# Altium PCB CSU RevB_ASCII.PcbDoc (part 4 of 5) (continued)
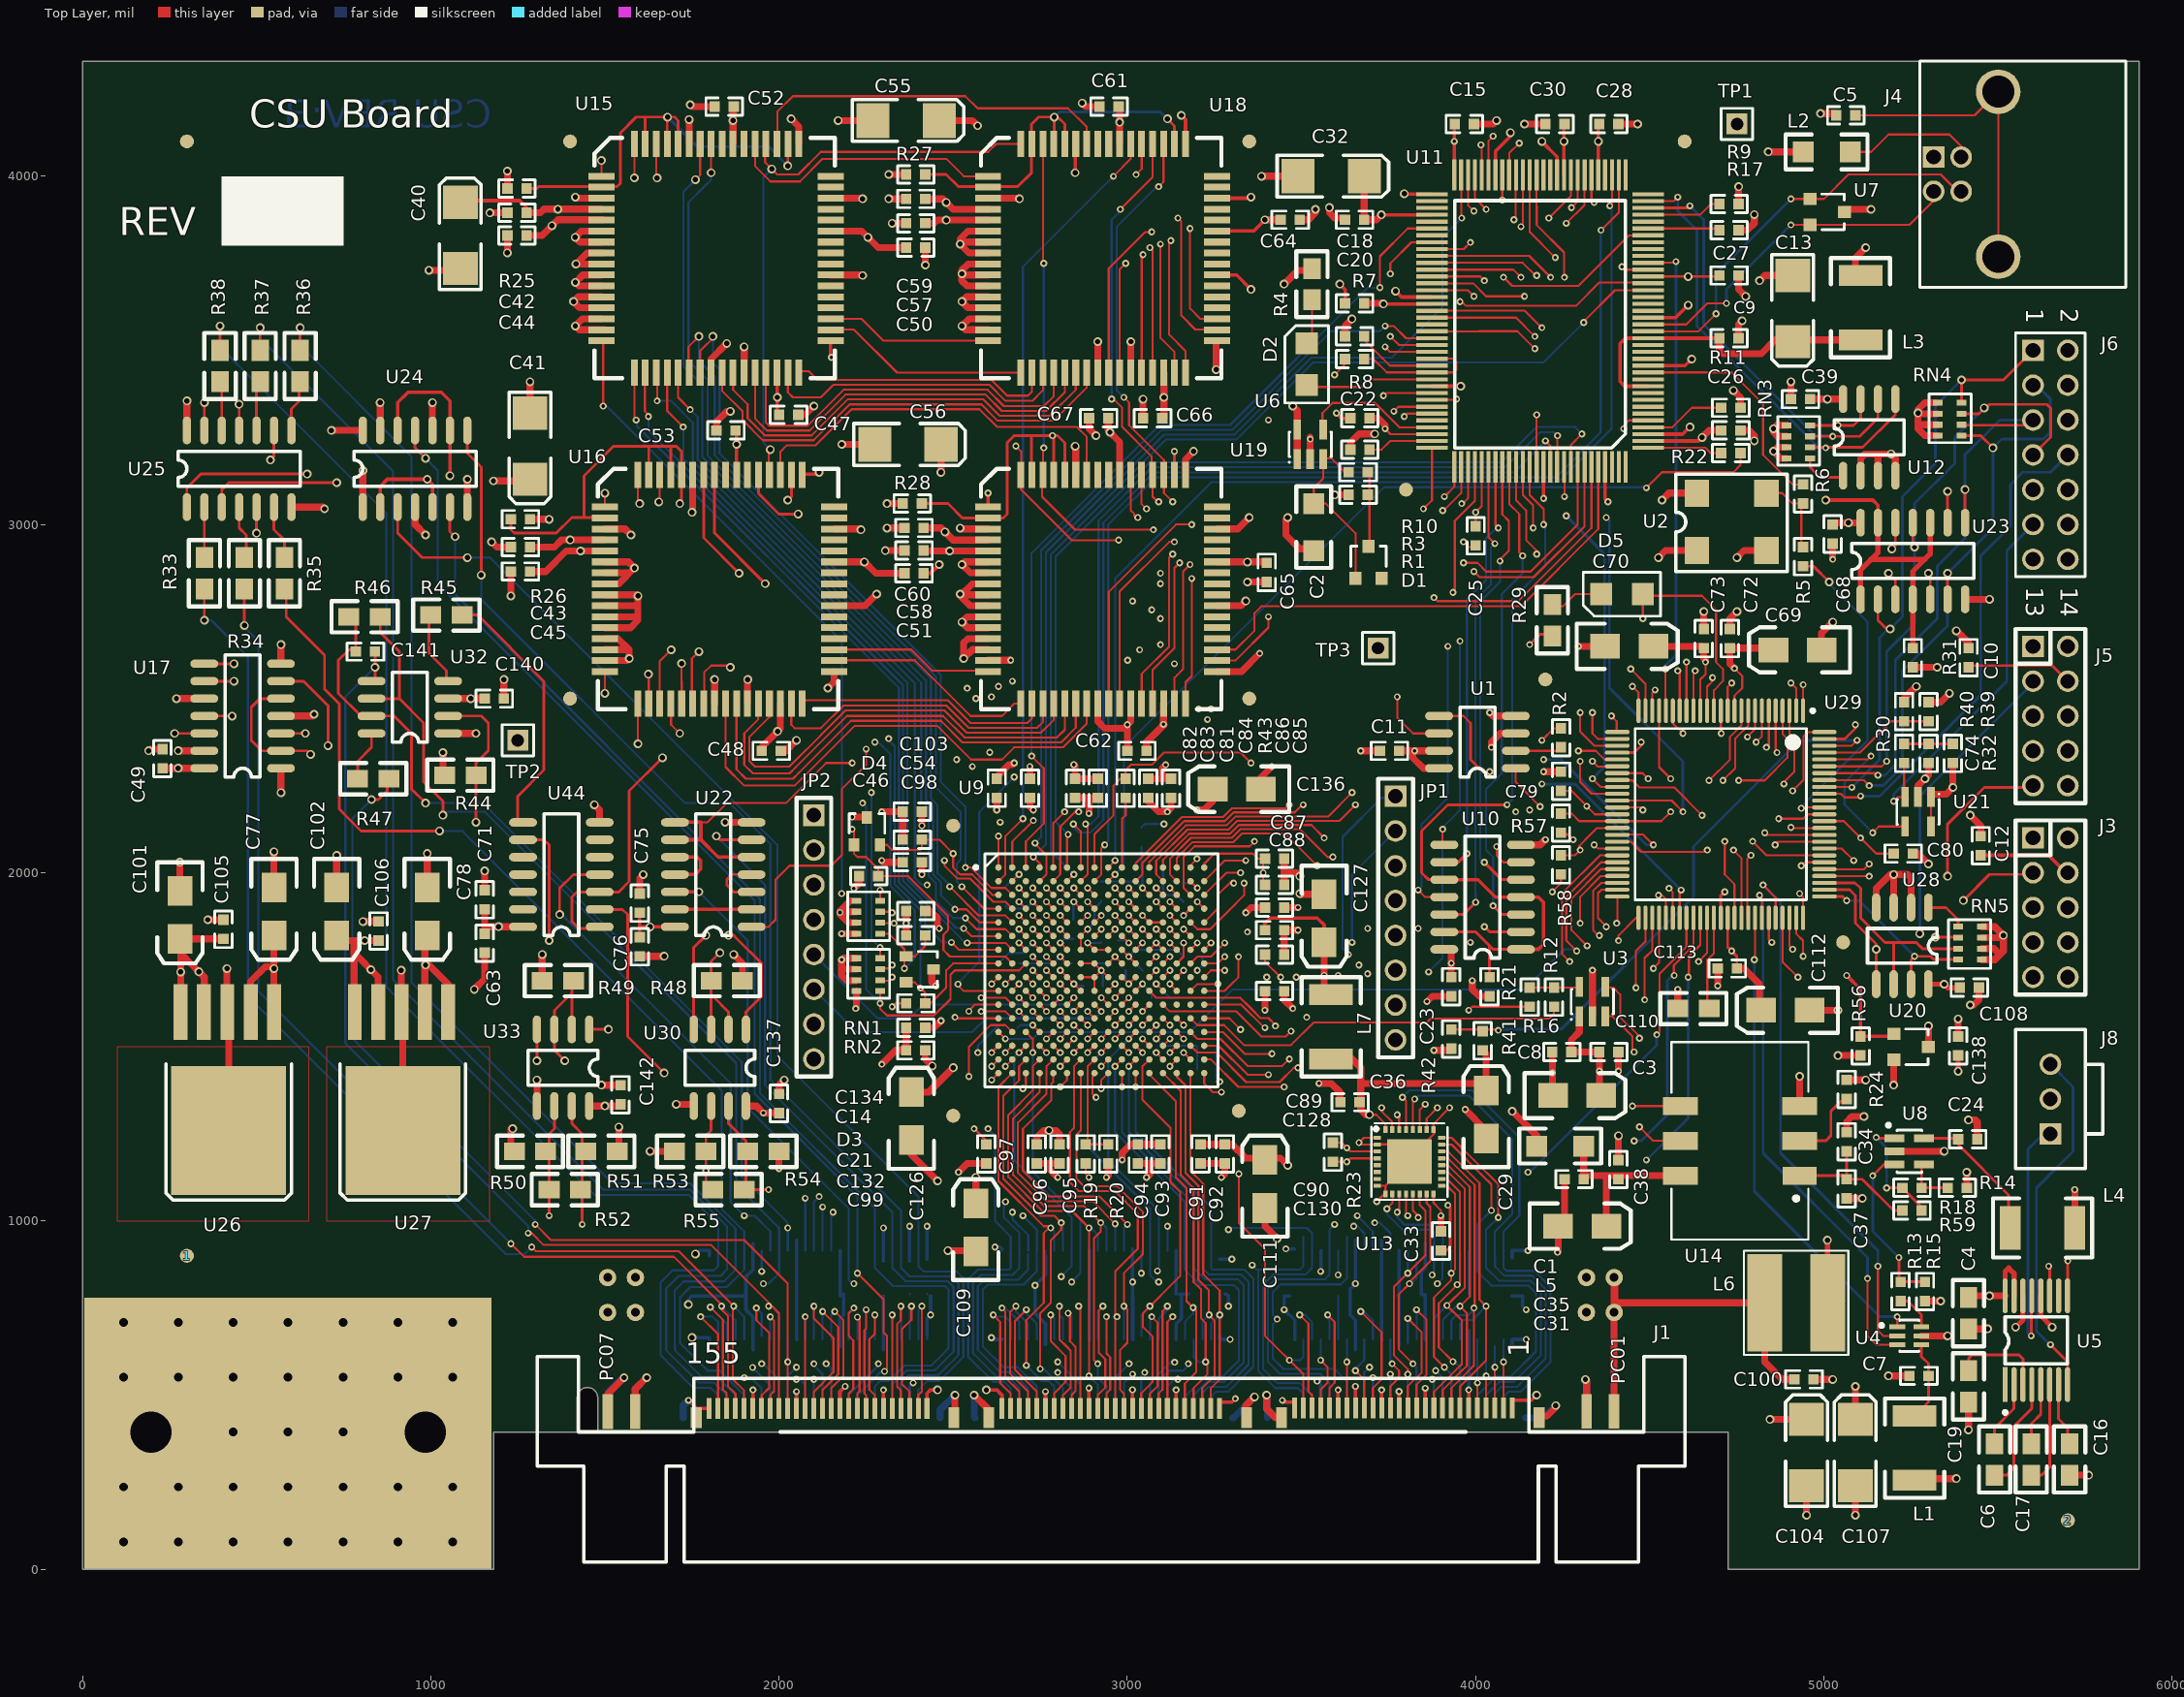
[diagram p0: Top Layer view]
## Nets (pads, with @x,y where several pads share a name; then routed paths per layer and width w, separated by ;. In a path a pad name is that pad's centre, name@x,y a point inside that pad or via, vN(x,y) a via of type N, cw(c..) or ccw(c..) an arc to the next point about the centre after c; other vN are vias at no path point) (continued)
O_DAT7: U9.G5 U15.16 | length 2569.8
  Top Layer w6: U15.16@1490,3527.56 1495,3522.56 v1(1495,3340) ; v3(2767.8,1798.46) U9.G5@2787.48,1778.78
  MidLayer1 w6: v1(2180,1940) 2210,1910 2348.78,1910 2438.78,1820 2525,1820 2570,1820 2611.22,1778.78 2748.11,1778.78 v3(2767.8,1798.46)
  Bottom Layer w6: v1(1495,3340) 1505,3340 2180,2665 v1(2180,1940)
O_DAT8: U9.D16 U16.23 | length 2188.9
  Top Layer w6: U16.23@1785,2490 1785,2575 1805,2595 1855,2595 v2(1860,2590) ; v3(3200.87,1916.57) U9.D16@3220.55,1896.89
  MidLayer1 w6: v2(1860,2590) 1861,2589 3124,2589 v1(3135,2600)
  MidLayer2 w6: v1(3135,2600) 3135,2597 3147,2585 3147,2018.64 3181.18,1984.46 3181.18,1936.26 v3(3200.87,1916.57)
O_DAT9: U9.F15 U16.22 | length 2386.7
  Top Layer w6: U16.22@1750,2490 1750,2615 v2(1770,2635) ; v3(3161.5,1837.83) U9.F15@3181.18,1818.15
  MidLayer1 w6: v2(1770,2635) 1800,2665 3085,2665 v1(3095,2655)
  MidLayer2 w6: v1(3095,2655) 3083.7,2643.7 3083.7,2048 3153.81,1977.89 3153.81,1908.89 3141.81,1896.89 3141.81,1857.52 v3(3161.5,1837.83)
O_DAT10: U9.F14 U16.21 | length 2320.8
  Top Layer w6: 1720,2550 1720,2600 v2(1720.47,2600.47) ; U16.21@1720.47,2486 1720.47,2550 ; v3(3122.13,1837.83) U9.F14@3141.81,1818.15
  MidLayer1 w6: v2(1720.47,2600.47) 1769.67,2600.47 1820.2,2651 3024,2651 v1(3035,2640)
  MidLayer2 w6: v1(3035,2640) 3047.7,2627.3 3047.7,2032.3 3102.44,1977.56 3102.44,1857.52 v3(3122.13,1837.83)
O_DAT11: U9.G16 U16.20 | length 2346
  Top Layer w6: U16.20@1690,2490 1690,2425 v2(1715,2400) ; U9.G16@3220.55,1778.78 v3(3240.24,1798.46)
  MidLayer1 w6: v2(1715,2400) 1773,2458 2709.6,2458 2732.6,2481 3189,2481 3200,2470 v1(3205,2470)
  MidLayer2 w6: v1(3205,2470) 3205,2435 3244.55,2395.45 3244.55,1802.78 v3(3240.24,1798.46)
O_DAT12: U9.G15 U16.19 | length 2628.9
  Top Layer w6: U16.19@1657.48,2486 1657.48,2607.48 v2(1690,2640) ; U9.G15@3181.18,1778.78 v3(3200.87,1798.46)
  MidLayer1 w6: v2(1690,2640) 1745,2695 3060,2695 v1(3095,2730)
  MidLayer2 w6: v1(3095,2730) 3159,2666 3159,2026.12 3220.12,1965 3220.12,1896.46 3200.87,1877.2 v3(3200.87,1798.46)
O_DAT13: U9.G11 U16.18 | length 2356.3
  Top Layer w6: v2(1625,2570) 1625.98,2569.02 U16.18@1625.98,2486 ; U9.G11@3023.7,1778.78 v3(3043.39,1798.46)
  MidLayer1 w6: v2(1625,2570) 1775,2570 1842,2637 2974,2637 v1(3001,2610)
  MidLayer2 w6: v1(3001,2610) 3023.7,2587.3 3023.7,1818.15 v3(3043.39,1798.46)
O_DAT14: U9.H15 U16.17 | length 2591.3
  Top Layer w6: v2(1595,2370) U16.17@1595,2490 ; U9.H15@3181.18,1739.41 3200.87,1759.09 3240.24,1759.09 v1(3279.61,1798.46)
  MidLayer1 w6: v2(1595,2370) 1764,2370 1840,2446 2717.4,2446 2738.4,2467 3169,2467 3196,2440 v1(3230,2440)
  MidLayer2 w6: v1(3230,2440) 3256.55,2413.45 3256.55,1821.52 v1(3279.61,1798.46)
O_DAT15: U9.H16 U16.16 | length 2655.2
  Top Layer w6: v2(1500,2515) U16.16@1500,2580 ; U9.H16@3220.55,1739.41 3259.92,1739.41 v1(3279.61,1759.09)
  MidLayer1 w6: v2(1500,2515) 1545,2470 2701.8,2470 2726.8,2495 3215,2495 v1(3240,2470)
  MidLayer2 w6: v1(3240,2470) 3268.55,2441.45 3268.55,1868.57 3299.29,1837.83 3299.29,1778.78 v1(3279.61,1759.09)
O_FIFO_AE_H_N: U9.F13 U19.54 | length 1387.4
  Top Layer w6: U19.54@3009.45,3143 3010,3142.45 3010,3040 3020,3030 3020,3025 ; v3(3082.76,1837.83) U9.F13@3102.44,1818.15
  MidLayer2 w6: v1(3030,3020) 3020,3010 3020,2827.21 2990,2797.21 2990,2652 3035.7,2606.3 3035.7,2019.3 3063.07,1991.93 3063.07,1857.52 v3(3082.76,1837.83)
O_FIFO_AE_L_N: U9.B1 U18.54 | length 2276.8
  Top Layer w6: U9.B1@2630,1975.63 2649.68,1995.32 2649.68,2104.68 v1(2700,2155) ; v1(2960,4000) 3010,4050 U18.54@3010,4095
  Bottom Layer w6: v1(2700,2155) 2700,3740 v1(2960,4000)
O_FIFO_AF_H_N: U9.K16 U16.57 | length 2847.5
  Top Layer w6: U16.57@1815,3143 U16.57@1815,3145 ; U9.K16@3220.55,1660.67 3279.61,1660.67 3293.54,1674.6 3318.98,1700.04 v1(3318.98,1759.09)
  Top Layer w8: U16.57@1814.96,3143 1814.96,2975.04 v2(1960,2830)
  MidLayer1 w6: v2(1960,2830) v1(3095,2830)
  MidLayer2 w6: v1(3095,2830) 3280.55,2644.45 3280.55,1883 3318.98,1844.57 v1(3318.98,1759.09)
O_FIFO_AF_L_N: U9.E2 U15.57 | length 2704.4
  Top Layer w6: v2(1805,4010) U15.57@1805,4105 ; v1(2490,1960) 2572.8,1877.2 2649.68,1877.2 U9.E2@2669.37,1857.52
  Bottom Layer w6: v2(1805,4010) 1805,3990 1786.67,3971.67 1740,3925 1740,3470 1794.6,3415.4 1794.6,3198.99 2436,2557.59 2436,2212.94 2455,2193.94 2455,1998.94 2490,1963.94 v1(2490,1960)
O_FIFO_IR_H_N: U9.E16 U16.58 | length 2654.8
  Top Layer w6: U9.E16@3220.55,1857.52 3259.92,1896.89 3259.92,1936.26 v1@3299.29,1975.63
  Top Layer w8: U16.58@1783.47,3143 1783.47,2961.53 v2(1885,2860)
  MidLayer1 w6: v2(1885,2860) v1(3095,2860)
  MidLayer2 w6: v1(3095,2860) 3292.55,2662.45 3292.55,1983 3299.29,1976.26 v1@3299.29,1975.63
  other v1: 3305,1970
O_FIFO_IR_L_N: U9.E1 U15.58 | length 2681.7
  Top Layer w6: v2(1760,3990) 1773.47,4003.47 U15.58@1773.47,4093 ; v1(2505,1895) 2538.03,1895 2575.51,1857.52 U9.E1@2630,1857.52
  Bottom Layer w6: v2(1760,3990) 1725,3955 1725,3455 1780,3400 1780,3193.79 2422,2551.79 2422,2209.97 2442,2189.97 2442,1994.97 2465,1971.97 2465,1935 v1(2505,1895)
O_FIFO_OR_H_N: U9.D14 U19.53 | length 1321.2
  Top Layer w6: U19.53@3040,3120 3040,3060 v1(3055,3045) ; U19.53@3040.94,3120 U19.53@3040.94,3143 ; v3(3122.13,1916.57) U9.D14@3141.81,1896.89
  MidLayer2 w6: v1(3055,3045) 3055,3014.8 3035,2994.8 3035,2810 3045,2800 3045,2701.7 3071.7,2675 3071.7,2043 3141.81,1972.89 3141.81,1936.26 v3(3122.13,1916.57)
O_FIFO_OR_L_N: U9.M1 U18.53 | length 2925.3
  Top Layer w6: v1(2505,1585) 2508.07,1581.93 U9.M1@2630,1581.93 ; v1(3025,4005) 3040.94,4020.94 U18.53@3040.94,4093
  MidLayer2 w6: v1@2506.96,1586.96 v1(2505,1585) 2505,1598.04 2533.63,1626.67 2533.63,1711.63 2565,1743 2565,2027.03 2519.94,2072.09 2485,2107.03 2485,2510 2730,2755 2730,3526.97 2978.74,3775.71 3025,3821.97 v1(3025,4005)
O_FIFO_RCLK: U9.A15 U18.52 U19.52 | length 2280.4
  Top Layer w6: v1(2955,3360) 2960,3360 2985,3335 2985,3280 3070,3195 3070,3137.44 3072.44,3135 3072.44,3080 3087.44,3065 v1(3090,3065) ; v1(2980,3905) 3070.44,3995.44 3072.44,3997.44 U18.52@3072.44,4093 ; U9.A15@3180,2015 3180,2020 v1(3200,2040)
  MidLayer2 w6: v1(3090,3065) 3090,3030 3050.8,2990.8 3050.8,2824.2 3052.28,2822.72 3171,2704 3171,2069 v1(3200,2040)
  Bottom Layer w6: v1(2955,3360) 2955,3875 2985,3905 v1(2980,3905)
O_FIFO_RDEN_N: U9.C16 U18.51 U19.51 | length 2444.2
  Top Layer w6: v1(2990,3365) 3005,3350 3005,3285 3105,3185 U19.51@3105,3145 ; v1(3090,3970) 3103.94,3983.94 U18.51@3103.94,4093 ; U19.51@3103.94,3143 U19.51@3103.94,3145 ; U19.51@3105,3155 3105,3090 v1(3130,3065) ; U9.C16@3220.55,1936.26 3284.29,2000 v1(3325,2000)
  MidLayer2 w6: v1(3130,3065) 3130,3015 3142.02,3002.98 3304.55,2840.45 3304.55,2020.45 v1(3325,2000)
  Bottom Layer w6: v1(2990,3365) 2969,3386 2969,3854 v1@3090,3975
O_FIFO_WCLK: U9.C14 U15.64 U16.64 | length 3591.3
  Top Layer w6: v2(1584.49,3995.51) U15.64@1584.49,4093 ; U16.64@1594.49,3143 1594.49,3065.51 v2(1600,3060) ; v3(3122.13,1955.94) U9.C14@3141.81,1936.26
  MidLayer1 w6: v2(1600,3060) 1898.03,2761.97 2996.97,2761.97 v1(3015,2780)
  MidLayer2 w6: v2(1584.49,3995.51) 1584.49,3994.49 1555,3965 1555,3105 v2(1600,3060) ; v1(3015,2780) 3015,2704.7 3059.7,2660 3059.7,2038 3122.13,1975.57 v3(3122.13,1955.94)
O_FIFO_WREN_N: U9.D15 U15.1 U16.1 | length 3731.9
  Top Layer w6: U15.1@1490,4000 v2(1490,4045) ; U16.1@1500,3050 v2@1500,3095 ; v3(3161.5,1877.2) U9.D15@3181.18,1896.89
  MidLayer1 w6: v2(1500,3090) 1522.67,3067.33 1845,2745 3060,2745 v1(3070,2755)
  MidLayer2 w6: v2(1490,4045) 1525,4010 1525,3115 1505,3095 v2@1500,3095 ; v1(3070,2755) 3070,2720 3115,2675 3115,2485 3135,2465 3135,2013.67 3165.81,1982.86 3165.81,1881.52 v3(3161.5,1877.2)
P1: J1.33 J2.33 U9.R16 | length 1424
  Top Layer w6: U9.R16@3220.55,1463.82 3240,1463.82 3318.82,1385 v1(3450,1385) ; v1(3670,740) 3730,680 3730,545 3705,520 3705,463.05 J1.33@3705.21,462.85
  MidLayer2 w6: v1(3450,1385) 3455,1385 3485,1355 3485,1055 3680,860 3681,860 3681,751 v1(3670,740)
  Bottom Layer w6: v1(3670,740) 3680,740 3705,715 3705,660.35 J2.33@3705.51,659.84
P2: J1.35 J2.35 U9.P16 | length 1388.2
  Top Layer w6: U9.P16@3220.55,1503.19 3261.81,1503.19 3345,1420 v1(3405,1420) ; v1(3655,570) 3680,545 J1.35@3680,465
  MidLayer2 w6: v1(3405,1420) 3419,1406 3419,1083 3613.98,888.02 3628.85,873.15 3628.85,751.45 3655,725.3 v1(3655,570)
  Bottom Layer w6: v1(3655,570) 3655,575 3680,600 3680,659.33 J2.35@3680.51,659.84
P3: J1.39 J2.39 U9.N16 | length 1421.8
  Top Layer w6: U9.N16@3220.55,1542.56 3274.41,1542.56 3336.97,1480 v1(3415,1480) ; J1.39@3630,460 v1(3630,595)
  MidLayer2 w6: v1(3415,1480) 3382,1447 3382,1063 3580,865 3580,780.5 3630,730.5 v1(3630,595)
  Bottom Layer w6: v1(3630,595) 3630.51,595.51 J2.39@3630.51,659.84
PC_RXD: J8.1 U5.13 | length 742.1
  Top Layer w8: v1(5595,670) 5595,786.77 U5.13@5596.77,785
  Bottom Layer w8: v1(5595,670) 5585,680 5585,1205 5630,1250 J8.1@5650,1250
PC_TXD: J8.3 U5.8 | length 1030.3
  Top Layer w8: v1(5650,645) 5699.13,595.87 U5.8@5699.13,530
  Bottom Layer w8: v1(5650,645) 5645,645 5645,648.23 5610,683.23 5610,1095 5715,1200 5715,1385 J8.3@5650,1450
PO_RES_N: U6.4 U11.99 | length 404.1
  Top Layer w6: U6.4@3562.4,3272.32 3560,3274.72 3560,3320 3582.03,3342.03 3588.99,3348.98 3711.01,3348.98 3780.94,3279.06 U11.99@3874.45,3279.06
RD_N: U9.B8 U11.40 | length 3324.4
  Top Layer w6: U9.B8@2905.59,1975.63 2925.28,1995.32 2925.28,2070.28 v1(2935,2080) ; v1(4360,3845) 4411.1,3896.1 U11.40@4411.1,4003.72
  Bottom Layer w6: v1(2935,2080) 2945.16,2090.16 2945.16,2999.47 3080.8,3135.11 4229.2,3135.11 4359.09,3265 4359.09,3830 4360,3830.91 v1(4360,3845)
"RESET BLANK": J1.48 J2.48 U9.J14 | length 1787.7
  Top Layer w6: U9.J14@3141.81,1700.04 v3(3161.5,1719.72)
  MidLayer2 w6: v3(3161.5,1719.72) 3240.69,1640.53 3240.69,1019.31 3253.08,1006.92 3285,975 v1(3290,975)
  Bottom Layer w6: v1(3290,975) 3295,980 3515,980 3530,965 J2.48@3530,915 ; J1.48@3530.21,462.85 3530.21,499.79 3495,535 3429.8,535 3390,574.8 3390,817.3 3418.7,846 3511,846 3530,865 3530,914.45 J2.48@3530.51,914.96
RG: J1.44 J2.44 U9.K12 | length 1876.3
  Top Layer w6: U9.K12@3063.07,1660.67 3082.76,1640.98 3324.02,1640.98 3353.46,1611.54 3382.28,1582.72 3405,1582.72 3425,1562.72 v1(3425,1560)
  MidLayer2 w6: v1(3425,1560) 3440,1545 3440,1432 3498,1374 3498,1087 v1(3595,990)
  Bottom Layer w6: J1.44@3580.21,462.85 3580.21,534.79 3554,561 3438,561 3404,595 3404,811.5 3424.5,832 3567,832 3580,845 3580,914.45 J2.44@3580.51,914.96 3580.51,975.51 v1(3595,990)
RS2+: J1.129 J2.129 R53.2 R55.2 U30.6 | length 1298.6
  Top Layer w6: J1.129@2124.71,461.79 J1.129@2124.71,465 ; J1.129@2125,465 2125,514.8 2170,559.8 2170,695 v1(2125,740)
  Top Layer w8: U30.6@1805,1335 1805,1260 1790,1245 1790,1110 R55.2@1810,1090
  MidLayer2 w6: v1(1790,1145) 1960,1145 1989.07,1115.93 2069,1036 2069,821 2125,765 v1(2125,740)
  Bottom Layer w6: v1(2125,740) 2125.2,739.8 J2.129@2125.2,659.84
RS2-: J1.131 J2.131 R54.1 R55.1 U30.7 | length 1162.4
  Top Layer w6: J1.131@2099.71,461.79 2099.71,509.3 2156,565.6 2156,664 2099.71,720.29 2099.71,754.71 v1(2100,755)
  Top Layer w8: U30.7@1855,1335 1855,1280 1905,1230 1905,1095 R55.1@1900,1090 v1(1970,1090)
  MidLayer2 w6: v1(1970,1090) 2055,1005 2055,800 v1(2100,755) ; v1@2099.71,754.71 v1@2099.71,755.29
  Bottom Layer w6: v1(2100,755) 2100,660.04 J2.131@2100.2,659.84
RS+: J1.151 J2.151 R50.2 R52.2 U33.6 | length 1340.2
  Top Layer w6: v1(1802.71,752.29) 1839,716 1839,516 1849.71,505.29 J1.151@1849.71,461.79
  Top Layer w8: v1(1340,1015) 1340,1250 1355,1265 1355,1335 U33.6@1360,1340
  MidLayer2 w6: v1(1340,1015) 1562.71,1015 1802.71,775 v1(1802.71,752.29)
  Bottom Layer w6: v1(1802.71,752.29) 1850.2,704.8 J2.151@1850.2,659.84
RS-: J1.153 J2.153 R51.1 R52.1 U33.7 | length 1215.6
  Top Layer w6: v1(1775,725) 1825,675 J1.153@1825,465
  Top Layer w8: U33.7@1405,1330 1405,1280 1435,1250 v1(1435,990)
  MidLayer2 w6: v1(1435,990) 1555,990 1775,770 v1(1775,725)
  Bottom Layer w6: v1(1775,725) 1810,725 1825,710 J2.153@1825,675 ; J2.153@1825.2,659.84 J2.153@1825.2,675
RST/NMI_M_N: U21.4 U29.96 | length 523.1
  Top Layer w6: U29.96@5001.02,2325.24 5125.24,2325.24 v1(5135,2335) ; v1(5140,2115) 5157.68,2132.68 U21.4@5232.6,2132.68
  Bottom Layer w6: v1(5135,2335) 5058.83,2258.83 5058.83,2196.17 v1(5140,2115)
RXD_1: U5.9 U11.53 | length 3859
  Top Layer w6: U11.53@4155.2,4003.72 4155.2,3839.8 v1(4228.42,3766.58)
  Top Layer w8: U5.9@5699.13,785 5699.13,884.13 v1(5700,885)
  MidLayer1 w6: v1(4228.42,3766.58) 4235,3760 5475,2520 5475,1110 v1(5700,885)
S1: J1.34 J2.34 U9.P15 | length 1566.3
  Top Layer w6: U9.P15@3181.18,1503.19 3200.87,1483.5 3256.5,1483.5 3341,1399 3437.15,1399 3478.15,1440 v1(3490,1440)
  MidLayer2 w6: v1(3490,1440) 3525,1405 3525,1150 3720,955 3720,565 v1(3705,550)
  Bottom Layer w6: v1(3660,1015) 3705,970 J2.34@3705,915 ; 3705,500 v1(3705,550) ; J1.34@3705.21,462.85 3705.21,500
S2: J1.36 J2.36 U9.N15 | length 1521.5
  Top Layer w6: U9.N15@3181.18,1542.56 3200.87,1522.87 3267.13,1522.87 3345,1445 3445,1445 v1(3465,1465)
  MidLayer2 w6: v1(3465,1465) 3465,1435 3510,1390 3510,1126 v1@3650,986 ; v1(3650,985) 3695,940 v1(3695,580)
  Bottom Layer w6: v1(3650,985) 3660,985 3680.51,964.49 J2.36@3680.51,914.96 ; J1.36@3680,465 3680,565 v1(3695,580)
S3: J1.40 J2.40 U9.N14 | length 1806.8
  Top Layer w6: U9.N14@3141.81,1542.56 v3(3161.5,1522.87)
  MidLayer2 w6: v3(3161.5,1522.87) 3169.82,1522.87 3198.69,1494 3198.69,949.31 3310.92,837.08 v1(3430,718)
  Bottom Layer w6: v1@3430,715 3418,703 3418,605 3448,575 3595,575 3610.6,559.4 3630,540 3630,463.05 J1.40@3630.21,462.85 ; v1(3430,718) 3418,730 3418,796 3440,818 3613,818 3630,835 J2.40@3630,914.96 ; J2.40@3630,914.45 J2.40@3630.51,914.96 ; J2.40@3630,920 J2.40@3630,955
S_WIRED_0: R56.1 U20.1 U29.51 | length 1110.3
  Top Layer w6: v1(4410,1805) 4410,1820 4460,1870 U29.51@4470,1870 ; U20.1@5193.39,1530 U20.1@5200.79,1537.4
  Top Layer w10: v1(5065,1705) 5104.99,1665.01 R56.1@5104.99,1530 U20.1@5193.39,1530
  MidLayer2 w6: v1(4410,1805) 4410,1810 4435,1835 4935,1835 v1(5065,1705)
S_WIRED_1: J1.133 J2.133 R57.1 U29.39 | length 4006.6
  Top Layer w6: J1.133@2074.71,461.79 2074.71,724.71 v1(2075,725) ; R57.1@4244.99,2170 4275,2170 4296.93,2148.07 4533.07,2148.07 v1(4560,2175)
  MidLayer1 w6: v1(2075,725) 2075,790 2135,850 2135,973 2154.05,992.05 2397,1235 2811,1235 2850,1274 3545,1274 3679,1408 4044.06,1408 4250,1613.94 4250,1865 v1(4560,2175)
  Bottom Layer w6: v1(2075,725) 2075.2,724.8 J2.133@2075.2,659.84
S_WIRED_2: J1.134 J2.134 R58.1 U29.40 | length 3842.9
  Top Layer w6: R58.1@4244.99,2050 4285.28,2050 4297.64,2062.36 4297.64,2077.64 4348.39,2128.39 ; 4313.61,2093.61 4348.39,2128.39 ; U29.40@4406.54,2128.39 4348.39,2128.39
  MidLayer1 w6: v1(2050,545) 2030,545 2009.07,565.93 2005,570 2005,805.2 2075,875.2 v1(2075,1065) 2080,1070 2080,1075 2335,1330 3521.81,1330 3636.43,1444.62 3655.81,1464 3899.4,1464 4190.4,1755 4190.4,1960 4295.4,2065 v1(4300,2065)
  Bottom Layer w6: v1(2050,545) 2060,545 2074.71,530.29 J1.134@2074.71,461.79 ; J2.134@2075.2,914.96 v1@2075.2,1064.8
SCL: RN3.3 U11.36 U12.6 | length 1251.1
  Top Layer w8: U11.36@4495,3908.98 4608.98,3908.98 v1(4615,3915) ; RN3.3@4960.01,3252.99 v1(5025,3252.99) 5102.99,3252.99 5155,3305 U12.6@5155,3360
  Bottom Layer w8: v1(4615,3915) 4655,3875 4655,3575 4975,3255 v1@5022.99,3255
SCLK: U24.2 U24.5 U29.36 | length 4907.7
  Top Layer w6: U29.36@4406.54,2207.13 4562.87,2207.13 v1(4595,2175)
  Top Layer w10: U24.2@855,3050 855,3110 875,3130 v2(990,3130) 1005,3115 U24.5@1005,3050
  MidLayer3 w6: v2(990,3130) 1050,3190 2490,3190 2515,3165 4230,3165 v1(4375,3020)
  Bottom Layer w8: v1(4375,3020) 4384,3011 4384,2531 4595,2320 v1(4595,2175)
SDAT: RN3.2 U11.37 U12.5 | length 1326
  Top Layer w6: U11.37@4495,3928.66 4568.66,3928.66 v1(4580,3940) ; U12.5@5205,3350 U12.5@5205,3360
  Top Layer w8: RN3.2@4960.01,3221.5 5111.25,3221.5 5204.75,3315 5204.75,3349.75 U12.5@5205,3350
  Bottom Layer w8: v1(4580,3940) 4580,3900 4635,3845 4635,3570 4985,3220 v1(5005,3220)
SG: J1.30 J2.30 U9.L13 | length 1719.7
  Top Layer w6: U9.L13@3102.44,1621.3 3122.13,1601.61 3313.39,1601.61 3385.15,1529.85 3454.85,1529.85 v1(3470,1545)
  MidLayer2 w6: v1(3470,1545) 3576,1439 3576,1129 3735,970 3735,580 v1(3755,560)
  Bottom Layer w6: v1(3710,995) 3725,995 3755.51,964.49 J2.30@3755.51,914.96 ; v1(3755,560) 3755.21,559.79 J1.30@3755.21,462.85
SHUT_ON: J1.140 J2.140 R46.1 U32.6 | length 2995.5
  Top Layer w8: U32.6@830,2500 910,2500 ; R46.1@855,2735 855,2690 910,2635 910,2500 ; v2(1035,2165) 1035,2205 980,2260 980,2430 910,2500
  MidLayer1 w6: v1(1950,590) 1914,626 1914,779 v1(1955,820)
  Bottom Layer w6: v2(1035,2165) 1045,2175 1155,2175 1172.21,2157.79 1877,1453 1877,1103 2000.2,979.8 J2.140@2000.2,914.96 2000.2,850.2 1970,820 v1(1955,820) ; v1(1950,590) 1955,590 2000,545 2000,490.29 J1.140@1999.71,490 ; J1.140@1999.71,461.79 J1.140@1999.71,490.29
SHUT_STAT: J1.137 J2.137 R47.1 | length 2788.4
  Top Layer w6: v1(1300,990) 1345,945 1900,945 2025,820 2025,705 ; J1.137@2024.71,461.79 2024.71,705
  Top Layer w8: v2(830,2210) 850,2210 875,2235 875,2265 R47.1@870,2270
  Bottom Layer w6: v2(830,2210) 775,2155 775,1525 1300,1000 v1(1300,990) ; J2.137@2025,670 v1(2025,595) v1@2030,590
SHUT_VCC: C141.2 J1.138 J2.138 R46.2 U32.7 | length 3068.1
  Top Layer w8: R46.2@785,2725 785,2640 765,2640 735,2610 735,2515 800,2450 895,2450 945,2400 945,2240 v2(985,2200)
  MidLayer2 w6: v1(2025,980) 2025,655 2050,630 v1(2050,580)
  Bottom Layer w6: v2(985,2200) 1150,2200 1174,2176 1893,1457 1893,1127 2025,995 v1(2025,980) ; J1.138@2024.71,461.79 2024.71,554.71 v1(2050,580) ; J2.138@2025.2,914.96 v1@2025.2,980
SHUTTER_GND: C141.1 J1.139 J2.139 U32.5 | length 3165.1
  Top Layer w6: v1(1280,965) 1290,965 1324,931 1805,931 1970,766 v1(1970,755) 1980,755 1999.71,735.29 J1.139@1999.71,461.79
  Top Layer w8: U32.5@830,2550 840,2560 C141.1@840,2625.01
  Bottom Layer w6: v2(840,2590) 755,2505 755,1510 1280,985 v1(1280,965) ; v1(1970,755) 1980,755 2000.2,734.8 J2.139@2000.2,659.84
SHUTTER_ON_N: U9.M11 U44.9 | length 2218.9
  Top Layer w6: v3(3004.02,1562.24) U9.M11@3023.7,1581.93
  Top Layer w8: U44.9@1260,2095 1325,2095 1340,2080 v2(1340,1805)
  MidLayer3 w6: v2(1340,1805) 1630,1515 2125,1515 2156.5,1483.5 2532.45,1483.5 2591.5,1542.56 2984.33,1542.56 v3(3004.02,1562.24)
SHUTTER_STATUS: R44.1 U9.L11 U32.2 | length 2621.4
  Top Layer w6: v3(3004.02,1601.61) U9.L11@3023.7,1621.3
  Top Layer w8: U32.2@1050,2450 1145,2450 1165.24,2429.76 1165.24,2350.24 1130,2315 v2(1130,2145)
  MidLayer3 w6: v2(1130,2145) 1155,2145 1644.97,1655.03 1685,1615 2150,1615 2230,1535 2550,1535 2636.3,1621.3 2984.33,1621.3 v3(3004.02,1601.61)
SIMO: U24.9 U24.12 U29.34 | length 4643.3
  Top Layer w6: v1(4335,2270) 4358.5,2246.5 U29.34@4406.54,2246.5
  Top Layer w10: U24.12@905,3270 905,3350 935,3380 1030,3380 1055,3355 v2(1055,3140)
  MidLayer3 w6: v2(1055,3140) 1055,3150 1070,3165 1205,3165 1250,3120 4065,3120 4160,3025 v1(4260,3025)
  Bottom Layer w8: v1(4260,3025) 4370,2915 4370,2305 v1(4335,2270)
SLWR_N: U9.A11 U11.5 | length 2326.6
  Top Layer w6: U9.A11@3023.7,2015 3023.7,2027.32 3139.38,2143 3156.39,2160 3275,2160 3300,2185 3455,2185 v1(3465,2195) ; v1(4425,3275) 4425,3283.74 4440,3298.74 U11.5@4495,3298.74
  MidLayer2 w6: v1(3465,2195) 3480,2210 3480,2648.03 3829.74,2997.77 3829.74,3069.74 4050,3290 4410,3290 v1(4425,3275)
SOMI: U22.1 U29.35 | length 3054.7
  Top Layer w6: U22.1@1921.14,1844.57 1969.57,1844.57 1990,1865 1990,1980 2030,2020 2150,2020 2180,2050 2180,2240 2250,2310 v1(2250,2355) ; v1(4300,2320) 4300,2260 4333.19,2226.81 U29.35@4406.54,2226.81
  MidLayer3 w6: v1(2250,2355) 2263.03,2341.97 2341.97,2341.97 2353.94,2353.94 2420,2420 2825,2420 2845,2400 4110,2400 4160,2350 4255,2350 4285,2320 v1(4300,2320)
"SPARE _INPUT_1": J1.143 J2.143 U9.T9 | length 1834
  Top Layer w6: v1@1935,755 1935,715 1971.71,678.29 1971.71,521 1950,499.29 J1.143@1950,460 ; v1@2925.28,1380.28 2925.28,1404.76 U9.T9@2944.96,1424.45
  MidLayer1 w6: v1(1935,750) 1935,760 1995,820 1995,1024 2315,1344 2859,1344 2895,1380 v1(2925,1380)
  Bottom Layer w6: v1(1935,750) 1950,735 J2.143@1950,670
"SPARE _INPUT_2": J1.144 J2.144 U9.R9 | length 1837.6
  Top Layer w6: v3(2925.28,1444.13) U9.R9@2944.96,1463.82
  MidLayer1 w6: v1(1900,550) 1900,805 v1(1950,855) 1950,998.8 2309.2,1358 2839.14,1358 v3(2925.28,1444.13)
  Bottom Layer w6: v1(1900,550) 1920,550 1949.71,520.29 J1.144@1949.71,461.79 ; v1@1950.2,855 J2.144@1950.2,914.96
SWRD_1_SEL_N: J1.127 J2.127 U29.4 | length 4189.1
  Top Layer w6: J1.127@2149.71,461.79 2149.71,519.71 2185,555 2185,715 v1(2160,740) ; v1(4755,2265) 4830,2265 4895,2330 4895,2385 4880.94,2399.06 U29.4@4880.94,2465
  MidLayer1 w6: v1(2160,740) 2160,978.2 2402.8,1221 2816,1221 2855,1260 3550.8,1260 3663.19,1372.38 3684.8,1394 4047.03,1394 4474.37,1821.34 4474.37,1944.37 4620,2090 4620,2185 4660,2225 4715,2225 v1(4755,2265)
  Bottom Layer w6: J2.127@2150.2,659.84 2150.2,730.2 v1(2160,740)
SWRD_2_SEL_N: J1.128 J2.128 U29.9 | length 4175.9
  Top Layer w6: v1(4710,2265) 4745,2300 4745,2385 4750.31,2390.31 4782.52,2422.52 U29.9@4782.52,2465
  MidLayer1 w6: v1(2135,590) 2135,608.05 2050,693.05 2050,790.8 2120,860.8 2120,990 v1(2155,1025) 2163,1025 2426,1288 3539.21,1288 3673.21,1422 3977,1422 4235,1680 4235,1880 4600,2245 4690,2245 v1(4710,2265)
  Bottom Layer w6: v1(2135,590) 2149.71,575.29 J1.128@2149.71,461.79 ; J2.128@2150.2,914.96 2150.2,1020.2 v1(2155,1025)
SWRD_3_SEL_N: J1.130 J2.130 U29.10 | length 4150.8
  Top Layer w6: v1(4670,2265) 4730,2325 4730,2390 4762.83,2422.83 U29.10@4762.83,2465
  MidLayer1 w6: v1(2100,590) 2100,623.25 2035,688.25 2035,795.6 2105,865.6 2105,1020 2387,1302 3533.41,1302 3638.66,1407.26 3667.41,1436 3911,1436 4220,1745 4220,1885 4600,2265 v1(4670,2265)
  Bottom Layer w6: v1(2100,590) 2100,585 2124.71,560.29 J1.130@2124.71,461.79 ; J2.130@2125.2,914.96 v1(2125.2,1040.2)
SWRD_4_SEL_N: J1.132 J2.132 U29.22 | length 4103.1
  Top Layer w6: U29.22@4526.61,2465 4526.61,2303.39 v1(4560,2270)
  MidLayer1 w6: v1(2100,545) 2073.45,571.55 2073.45,630 2021,682.45 2021,801.4 2090,870.4 2090,1045 2361,1316 3527.61,1316 3636.61,1425 3661.61,1450 3904.79,1450 4204.79,1750 4204.79,1886.76 4448.03,2130 4448.03,2183.03 4487.69,2222.69 4515.57,2250.57 4535,2270 v1(4560,2270)
  Bottom Layer w6: J1.132@2099.71,461.79 v1@2099.71,545 ; J2.132@2100.2,914.96 2100.2,1055.2 v1(2115,1070)
SWRD_5_SEL_N: J1.119 J2.119 U29.33 | length 3934.4
  Top Layer w6: J1.119@2249.71,461.79 2249.71,500 2245.21,504.5 2245.21,686.21 2249.71,690.71 2249.71,744.71 v1(2250,745) ; U29.33@4405,2265 4450,2265 4470,2245 4570,2245 v1(4650,2165) ; U29.33@4405.35,2265 U29.33@4406.54,2266.18
  MidLayer1 w6: v1(2250,745) 2250,1008 2421,1179 2836,1179 2875,1218 3568.2,1218 3614.2,1264 3974,1264 4568.63,1858.63 4640,1930 4640,2155 v1(4650,2165)
  Bottom Layer w6: v1(2250,745) 2250.2,744.8 J2.119@2250.2,659.84
SWRD_6_SEL_N: J1.121 J2.121 U29.56 | length 3550.2
  Top Layer w6: J1.121@2224.71,461.79 2224.71,504.71 2231.21,511.21 2231.21,717.64 v1(2225,723.85) ; v1(4555,1955) 4565.98,1944.02 U29.56@4565.98,1870.51
  MidLayer1 w6: v1(2225,723.85) 2210,723.85 2174,759.85 2174,972.4 2408.6,1207 2821,1207 2860,1246 3556.6,1246 3690.6,1380 4050,1380 4478.17,1808.17 4495,1825 4495,1933.03 4516.97,1955 v1(4555,1955)
  Bottom Layer w6: v1(2225,723.85) 2225,660.04 J2.121@2225.2,659.84
SWRD_7_SEL_N: J1.123 J2.123 U29.55 | length 3505.5
  Top Layer w6: J1.123@2199.71,461.79 2200,462.08 2200,504.29 2213.23,517.53 2213.23,656.77 2200,670 2200,735 v1(2215,750) ; v1(4525,1935) 4535,1935 4546.3,1923.7 U29.55@4546.3,1870.51
  MidLayer1 w6: v1(2215,750) 2215,754 2188,781 2188,966.6 2414.4,1193 2826,1193 2865,1232 3562.4,1232 3608.4,1278 3968,1278 4520.11,1830.11 4525,1835 v1(4525,1935)
  Bottom Layer w6: J2.123@2200.2,659.84 2200.2,735.2 v1(2215,750)
TCK_M: J6.7 RN4.3 U23.11 U29.95 | length 1816.3
  Top Layer w6: U29.95@5001.02,2305.55 5165.55,2305.55 v1(5180,2320)
  Top Layer w8: U23.11@5255,3005 5255,2945 5260,2940 v2(5260,2935) ; RN4.3@5395.01,3317.99 5445,3317.99 5460,3332.99 v2(5460,3335) 5465,3335 5475,3345 5640,3345 5651.32,3333.68 5651.32,3251.32 J6.7@5600,3200
  Bottom Layer w8: v1(5180,2320) 5180,2635 5260,2715 5260,3060 5375,3175 5375,3250 v2(5460,3335)
TDI_M: J6.3 RN4.1 U23.6 U29.93 | length 1808.8
  Top Layer w6: U29.93@5001.02,2266.18 5113.82,2266.18 v1(5130,2250)
  Top Layer w8: U23.6@5355,2785 v2(5355,2860) ; RN4.1@5395.01,3255 5450,3255 v2(5485,3220)
  Bottom Layer w6: J6.3@5595,3390 J6.3@5595,3395
  Bottom Layer w8: v1(5130,2250) 5170,2250 5225,2305 5225,2580 5355,2710 v2(5355,2860) 5485,2990 v2(5485,3220) 5510,3245 5630,3245 5650,3265 5650,3360 5615,3395 J6.3@5595,3395
TDO_M: J6.1 RN4.4 U23.2 U29.92 | length 1792
  Top Layer w6: U29.92@5001.02,2246.5 v1@5078.5,2246.5
  Top Layer w8: U23.2@5155,2785 5155,2725 5180,2700 v2(5190,2700) ; RN4.4@5395.01,3349.49 5395.01,3385 v2(5395,3415) 5515,3415 J6.1@5600,3500
  Bottom Layer w8: v1(5080,2245) 5160,2325 5160,2675 5185,2700 v2(5190,2700) 5225,2735 5225,3080 5268.97,3123.97 5320,3175 5320,3340 v2(5395,3415)
TEST: J6.8 U29.91 | length 1415.4
  Top Layer w6: U29.91@5001.02,2226.81 5048.19,2226.81 5058.73,2216.27 5101.27,2216.27 v1(5105,2220)
  Bottom Layer w8: v1(5105,2220) 5160,2220 5450,2510 5450,2910 5535,2995 5535,3115 5570,3150 5650,3150 J6.8@5700,3200
TEST_LINE_1: U11.74 U29.1 | length 1922.9
  Top Layer w6: U11.74@3874.45,3771.18 4153.82,3771.18 v1(4215,3710) ; U29.1@4940,2465 v1(4940,2540)
  MidLayer1 w6: v1(4215,3710) 4240,3685 4260,3685 4940,3005 v1(4940,2540)
TEST_LINE_2: U11.75 U29.2 | length 1874.4
  Top Layer w6: U11.75@3874.45,3751.5 4135,3751.5 v1@4171.5,3715 ; v1(4905,2545) 4920.31,2529.69 U29.2@4920.31,2465
  Top Layer w8: v1@4171.5,3715 v1(4175,3715)
  MidLayer1 w6: v1(4175,3715) 4175,3660 4197.61,3637.39 4905,2930 v1(4905,2545)
TEST_LINE_3: U9.C11 U11.79 | length 2683.1
  Top Layer w6: v3(3004.02,1955.94) U9.C11@3023.7,1936.26 ; U11.79@3874.45,3672.76 3977.24,3672.76 v1(3995,3655)
  MidLayer2 w6: v3(3004.02,1955.94) 3011.7,1963.63 3011.7,2371.3 2978,2405 2978,2810 3000,2832 3000,3046.09 3066.48,3112.57 3732.15,3112.57 3954.72,3335.14 3995,3375.42 v1(3995,3655)
TEST_LINE_4: U9.B13 U29.82 | length 2212.3
  Top Layer w6: U9.B13@3102.44,1975.63 3082.76,1995.32 3082.76,2034.14 3172.61,2124 3289.91,2124 3314.91,2149 3609,2149 v1(3655,2195) ; v1(4795,2090) 4835,2050 4930,2050 ; 4930,2049.65 U29.82@5001.02,2049.65
  MidLayer2 w6: v1(3655,2195) 3655,2200 3768,2313 3897,2313 4090,2120 4765,2120 v1(4795,2090)
TEST_LINE_5: U9.A14 U29.83 | length 2244.5
  Top Layer w6: U9.A14@3141.81,2015 3141.81,2042.29 3187.53,2088 3304.82,2088 3329.82,2113 3452,2113 v1(3545,2020) ; U29.83@5001.02,2069.33 5001.69,2070 5050,2070 v1(5085,2035)
  MidLayer2 w6: v1(3545,2020) 3640,2020 3690,2070 3885,2070 3980,1975 4795,1975 4873.62,2053.62 5066.38,2053.62 v1@5090,2030